# Allegro board RK_EVB1_RK3576_LP4XD200P132SD6_V12_20240530YWQ.brd (continued)
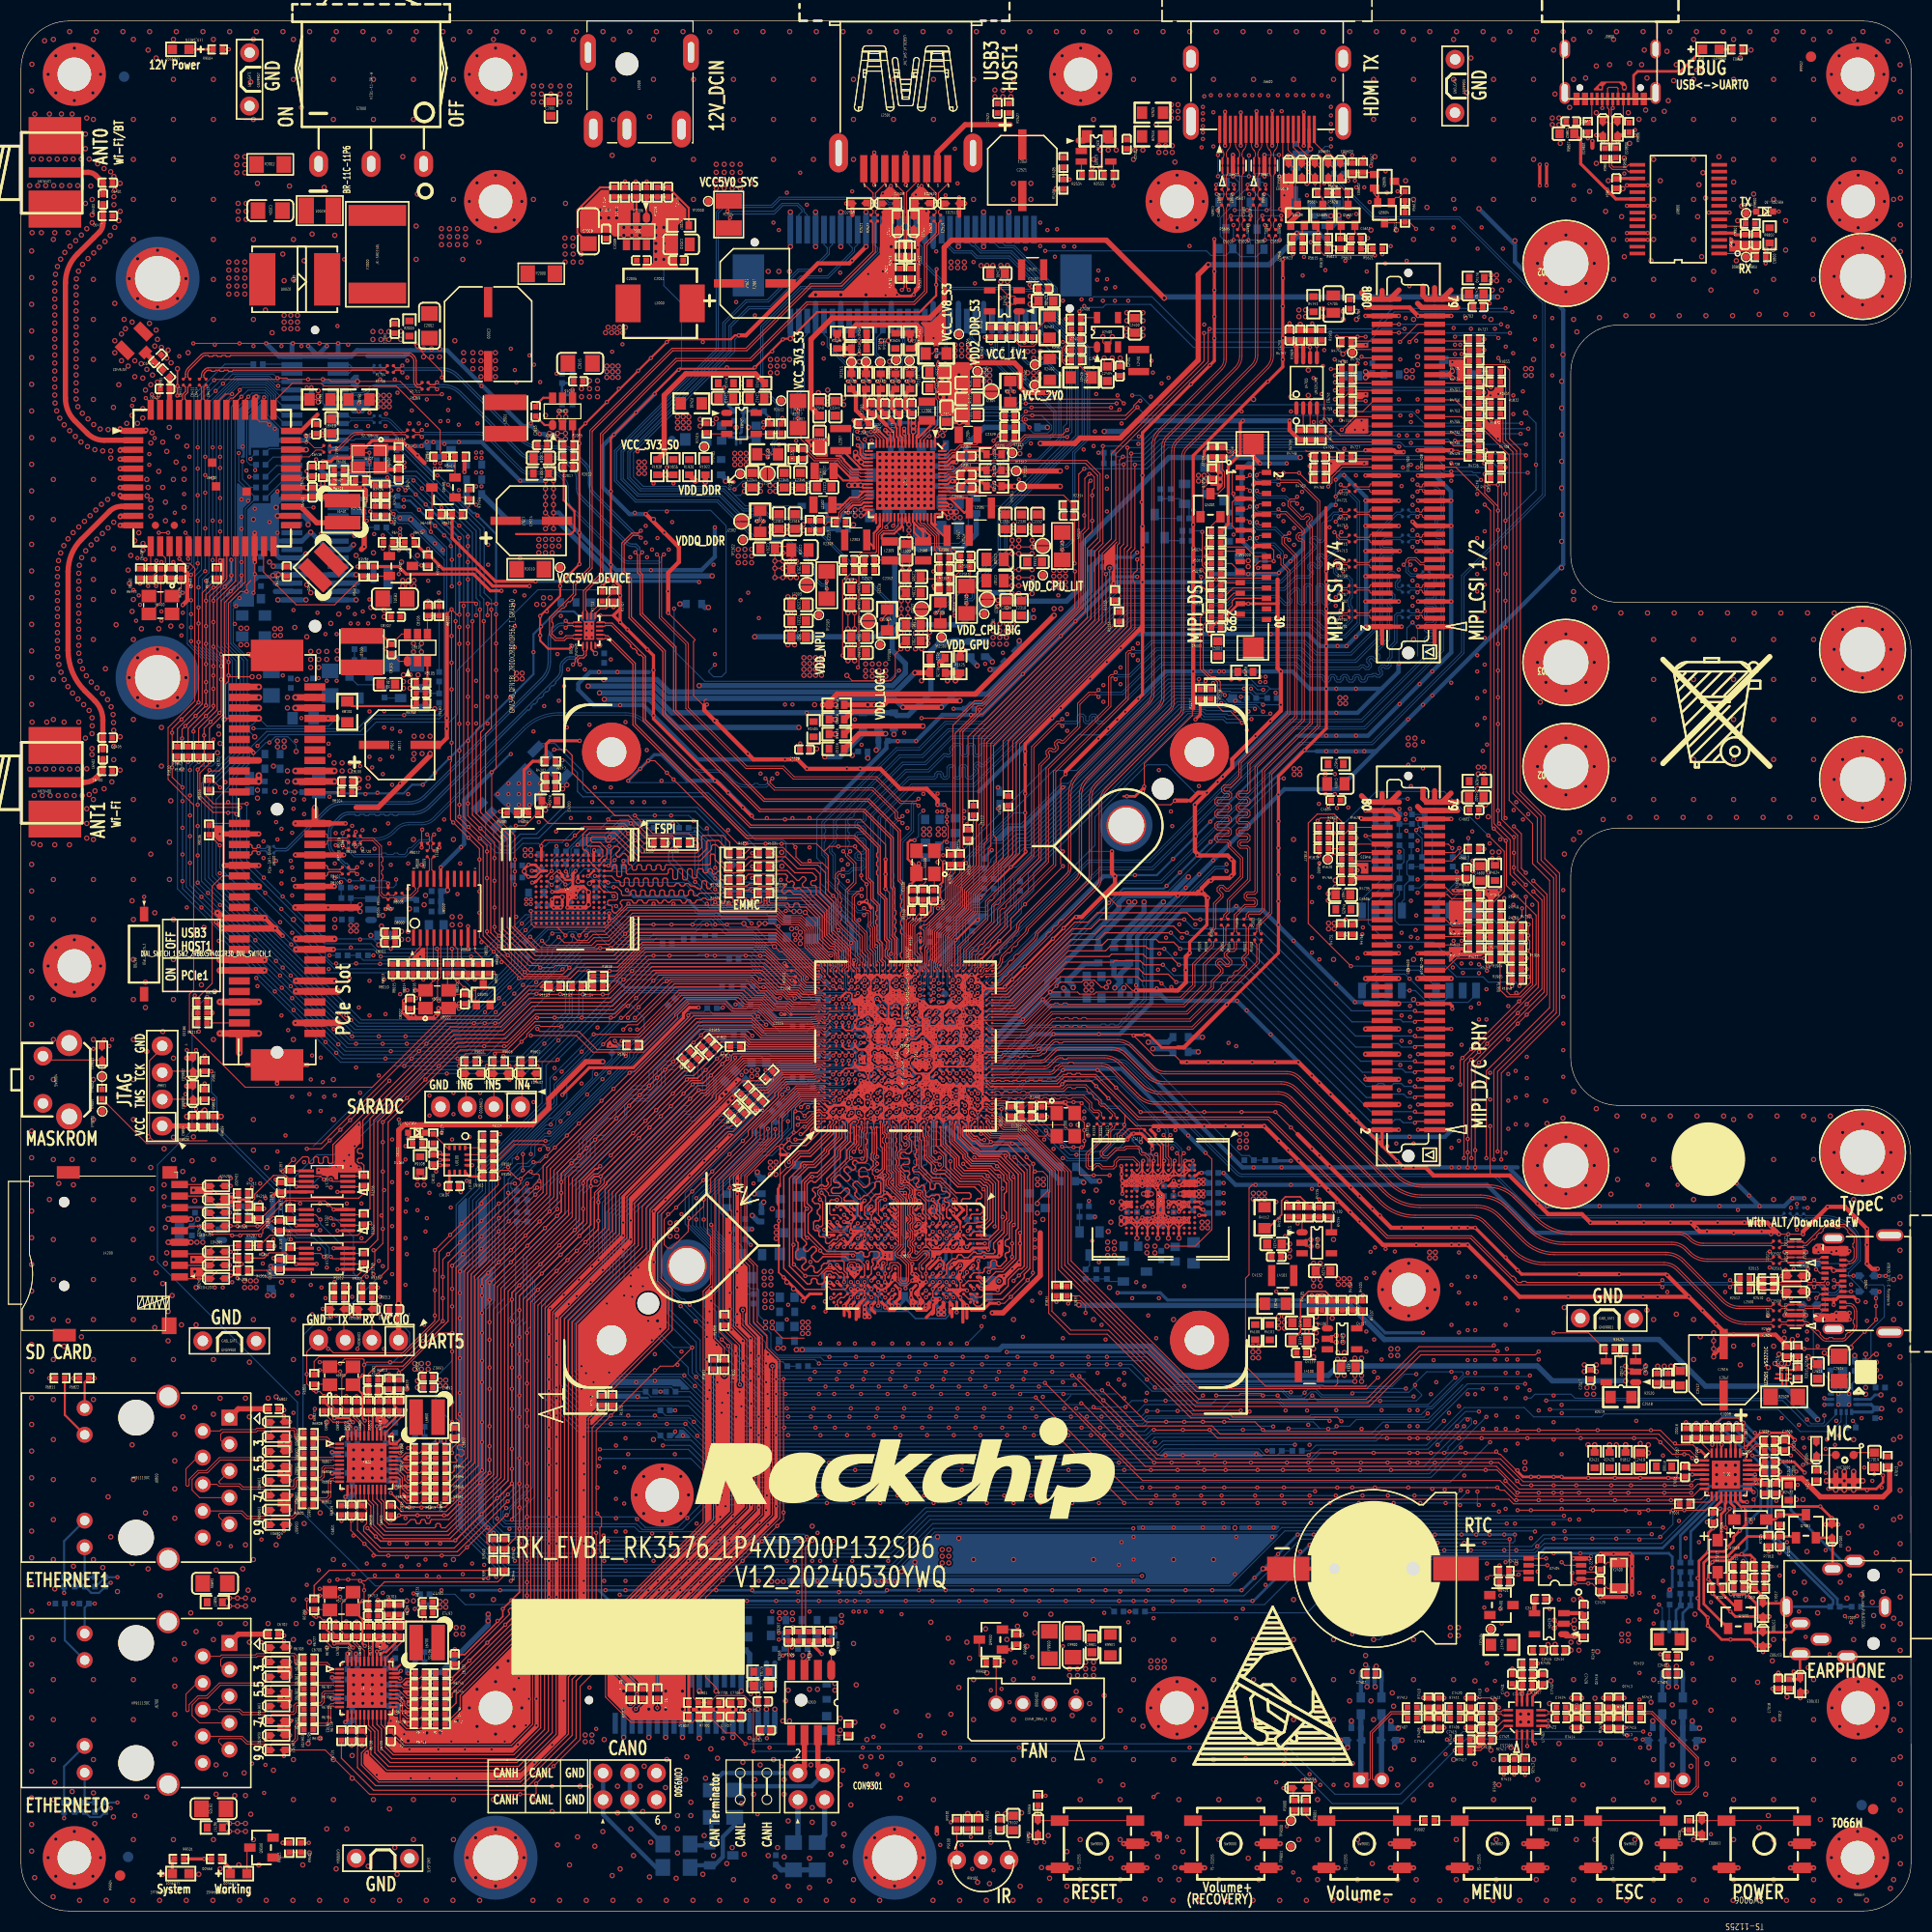
[diagram p0: board, top side]
## Routing (per net, layer and track width the routed paths; a pad name or vN(x,y) marks a point on that pad's centre or on a via; arc(x,y) is an arc through that point) (continued)
v1(170.32,60.55) v1(170.35,45.03) v1(170.98,63.19) v1(171.11,53.79) v1(171.49,63.32) v1(171.74,56.33) v1(171.87,44.01) v1(171.87,41.73) v1(171.87,34.36) v1(172.07,59.76) v1(172,44.9) v1(172.25,24.46) v1(172.76,44.39) v1(172.89,56.94) v1(172.89,46.68) v1(173.08,49.24) v1(173.08,48.23) v1(173.14,45.28) v1(173.71,28.08) v1(174.16,56.97) v1(174.1,49.24) v1(174.1,48.23) v1(174.16,31.95) v1(174.28,59.66) v1(174.28,27.5) v1(174.86,28.08) v1(175.3,46.93) v1(175.55,42.24) v1(175.68,57.98) v1(175.81,56.21) v1(175.81,40.08) v1(176.32,40.97) v1(177.21,40.33) v1(177.97,53.92) v2(0.83,164.32) v2(0.83,108.76) v2(1.04,175.88) v2(1.01,173.34) v2(1.06,159.84) v2(1.01,158.1) v2(1.01,155.56) v2(1.01,153.02) v2(1.01,150.48) v2(1.01,147.94) v2(1.01,145.4) v2(1.01,142.86) v2(1.01,140.32) v2(1.01,137.78) v2(1.01,135.24) v2(1.01,132.7) v2(1.01,130.16) v2(1.01,127.62) v2(1.01,125.08) v2(1.01,122.54) v2(1.01,120) v2(1.01,117.46) v2(1.01,114.92) v2(1.06,113.23) v2(1.01,99.68) v2(1.01,97.14) v2(1.01,94.6) v2(1.01,92.06) v2(1.01,89.52) v2(1.01,86.98) v2(1.01,84.44) v2(1.01,79.36) v2(1.01,74.28) v2(1.01,71.74) v2(1.01,69.2) v2(1.01,66.66) v2(1.01,64.12) v2(1.01,61.58) v2(1.01,59.04) v2(1.01,56.5) v2(1.01,53.96) v2(1.01,51.42) v2(1.01,48.88) v2(1.01,46.34) v2(1.01,43.8) v2(1.01,41.26) v2(1.01,38.72) v2(1.01,36.18) v2(1.01,33.64) v2(1.01,31.1) v2(1.01,28.56) v2(1.01,26.02) v2(1.01,23.48) v2(1.01,20.94) v2(1.01,18.4) v2(1.01,15.86) v2(1.01,13.32) v2(1.01,10.78) v2(1.01,8.24) v2(1.01,5.7) v2(1.16,166.85) v2(1.18,101.67) v2(1.26,106.23) v2(1.31,171.14) v2(1.3,3.18) v2(1.59,108.76) v2(1.59,164.32) v2(1.82,101.54) v2(1.92,166.85) v2(1.95,159.84) v2(2.02,106.23) v2(2.24,178.12) v2(2.35,164.32) v2(2.35,108.76) v2(2.45,113.23) v2(2.58,174.92) v2(2.58,90) v2(2.58,5.08) v2(2.69,166.85) v2(2.71,171.14) v2(2.78,106.23) v2(2.71,67.76) v2(3.08,178.25) v2(3.08,159.2) v2(3.08,140.15) v2(3.08,136.34) v2(3.08,132.53) v2(3.08,117.29) v2(3.08,113.48) v2(3.08,98.24) v2(3.08,94.43) v2(3.08,86.81) v2(3.08,83) v2(3.08,79.19) v2(3.08,71.57) v2(3.08,63.95) v2(3.08,60.14) v2(3.08,56.33) v2(3.08,52.52) v2(3.08,48.71) v2(3.08,44.9) v2(3.08,41.09) v2(3.08,37.28) v2(3.08,33.47) v2(3.08,25.85) v2(3.08,22.04) v2(3.08,18.23) v2(3.08,14.42) v2(3.08,10.61) v2(3.06,1.35) v2(3.12,164.32) v2(3.12,108.76) v2(3.22,159.84) v2(3.29,155.88) v2(3.22,155.05) v2(3.22,154.28) v2(3.22,153.52) v2(3.22,152.76) v2(3.22,152) v2(3.22,151.24) v2(3.22,150.47) v2(3.22,149.71) v2(3.22,148.95) v2(3.22,148.19) v2(3.22,147.43) v2(3.22,146.66) v2(3.22,145.9) v2(3.22,145.14) v2(3.22,144.38) v2(3.24,143.62) v2(3.22,101.54) v2(3.22,30.68) v2(3.22,12.26) v2(3.31,176.69) v2(3.31,173.15) v2(3.31,91.77) v2(3.31,88.23) v2(3.31,6.85) v2(3.31,3.31) v2(3.45,166.85) v2(3.47,156.62) v2(3.4,142.87) v2(3.48,127.85) v2(3.47,127.09) v2(3.47,126.33) v2(3.47,125.56) v2(3.47,124.8) v2(3.47,124.04) v2(3.47,123.28) v2(3.47,122.52) v2(3.47,121.75) v2(3.47,120.99) v2(3.47,120.23) v2(3.57,128.61) v2(3.5,119.47) v2(3.54,106.23) v2(3.61,118.72) v2(3.6,69.29) v2(3.77,157.32) v2(3.69,142.17) v2(3.77,129.34) v2(3.85,171.14) v2(3.88,164.32) v2(3.81,117.98) v2(3.88,108.76) v2(4.08,130.04) v2(4.17,157.96) v2(4.11,141.54) v2(4.1,117.28) v2(4.1,113.23) v2(4.1,53.79) v2(4.21,166.85) v2(4.31,106.23) v2(4.49,159.84) v2(4.48,130.69) v2(4.47,116.61) v2(4.49,56.21) v2(4.63,178.99) v2(4.64,164.32) v2(4.67,158.54) v2(4.63,140.98) v2(4.64,108.76) v2(4.61,101.54) v2(4.87,171.14) v2(4.87,71.57) v2(4.87,11.37) v2(4.97,166.85) v2(4.96,131.27) v2(4.91,115.99) v2(5.08,177.42) v2(5.08,172.42) v2(5.07,106.23) v2(5.08,92.5) v2(5.08,87.5) v2(4.99,69.16) v2(4.99,32.84) v2(5.08,7.58) v2(5.08,2.58) v2(5.17,140.44) v2(5.21,159.08) v2(5.27,155.44) v2(5.25,154.68) v2(5.25,153.91) v2(5.25,153.15) v2(5.25,152.39) v2(5.25,151.63) v2(5.25,150.87) v2(5.25,150.1) v2(5.25,149.34) v2(5.25,148.58) v2(5.25,147.82) v2(5.25,147.06) v2(5.25,146.29) v2(5.25,145.53) v2(5.25,144.77) v2(5.25,144.01) v2(5.4,164.32) v2(5.48,156.17) v2(5.42,143.27) v2(5.43,115.43) v2(5.4,108.76) v2(5.5,131.81) v2(5.56,128.16) v2(5.5,127.4) v2(5.5,126.64) v2(5.5,125.88) v2(5.5,125.12) v2(5.5,124.36) v2(5.5,123.59) v2(5.5,122.83) v2(5.5,122.07) v2(5.5,121.31) v2(5.5,120.55) v2(5.51,119.78) v2(5.5,113.23) v2(5.58,1.01) v2(5.62,119.03) v2(5.73,166.85) v2(5.75,159.62) v2(5.71,139.91) v2(5.78,128.89) v2(5.76,54.68) v2(5.86,156.82) v2(5.84,142.64) v2(5.86,118.31) v2(5.83,106.23) v2(5.97,114.89) v2(6.04,132.35) v2(6.14,169.24) v2(6.14,167.84) v2(6.14,162.63) v2(6.16,129.55) v2(6.14,111.7) v2(6.26,170.76) v2(6.26,160.22) v2(6.22,117.64) v2(6.26,108.78) v2(6.26,104.97) v2(6.26,103.58) v2(6.26,102.18) v2(6.38,157.38) v2(6.38,142.1) v2(6.33,139.46) v2(6.49,114.34) v2(6.5,166.85) v2(6.58,132.89) v2(6.5,106.33) v2(6.64,164.28) v2(6.67,130.11) v2(6.78,163) v2(6.78,161.55) v2(6.78,160.78) v2(6.69,117.04) v2(6.76,113.63) v2(6.78,112.87) v2(6.76,112.13) v2(6.76,110.71) v2(6.76,110.14) v2(6.85,176.69) v2(6.85,173.15) v2(6.85,91.77) v2(6.85,88.23) v2(6.85,6.85) v2(6.85,3.31) v2(6.89,178.25) v2(6.89,170.63) v2(6.92,157.92) v2(6.89,155.39) v2(6.89,151.58) v2(6.89,147.77) v2(6.89,143.96) v2(6.92,141.57) v2(6.89,136.34) v2(6.89,128.72) v2(6.9,126.82) v2(6.89,124.91) v2(6.89,121.1) v2(6.89,105.86) v2(6.89,102.05) v2(6.89,98.24) v2(6.89,94.43) v2(6.89,86.81) v2(6.89,83) v2(6.89,79.19) v2(6.89,75.38) v2(6.89,71.57) v2(6.89,67.76) v2(6.89,63.95) v2(6.89,60.14) v2(6.89,56.33) v2(6.89,52.52) v2(6.89,48.71) v2(6.89,41.09) v2(6.89,33.47) v2(6.89,22.04) v2(6.89,18.23) v2(6.89,14.42) v2(6.9,11.25) v2(7.03,139.17) v2(7.05,106.68) v2(7.03,8.33) v2(7.17,178.99) v2(7.12,133.43) v2(7.21,130.65) v2(7.23,116.5) v2(7.3,166.4) v2(7.46,158.45) v2(7.58,174.92) v2(7.54,141.14) v2(7.58,90) v2(7.58,5.08) v2(7.66,133.97) v2(7.78,139.06) v2(7.75,131.19) v2(7.77,115.96) v2(7.79,32.71) v2(7.91,165.95) v2(7.91,106.88) v2(8,158.99) v2(8.04,118.31) v2(8.12,1.01) v2(8.25,134.44) v2(8.29,131.73) v2(8.24,115.37) v2(8.3,141.09) v2(8.3,39.44) v2(8.54,165.64) v2(8.5,159.57) v2(8.55,139.05) v2(8.55,138.37) v2(8.58,114.68) v2(8.55,35.63) v2(8.66,107.54) v2(8.77,113.95) v2(8.85,165.19) v2(8.85,163.27) v2(8.85,162.5) v2(8.8,143.2) v2(8.83,132.26) v2(8.8,129.74) v2(8.8,125.67) v2(8.81,113.19) v2(8.83,112.45) v2(8.83,110.92) v2(8.83,109.64) v2(8.8,8.96) v2(8.93,163.9) v2(8.93,160.35) v2(8.93,153.11) v2(8.93,149.55) v2(8.93,148.41) v2(8.9,141.08) v2(9.06,122.5) v2(9.18,30.42) v2(9.31,160.98) v2(9.31,145.36) v2(9.44,164.54) v2(9.44,161.87) v2(9.44,111.83) v2(9.44,108.66) v2(9.57,150.19) v2(9.57,147.65) v2(9.71,178.99) v2(9.82,151.58) v2(9.95,150.69) v2(10.07,141.68) v2(10.2,147.14) v2(10.2,127.71) v2(10.31,155.47) v2(10.33,126.44) v2(10.31,117.47) v2(10.45,129.1) v2(10.58,151.33) v2(10.58,142.44) v2(10.58,123.77) v2(10.58,96.21) v2(10.58,44.39) v2(10.58,33.09) v2(10.66,1.01) v2(10.7,178.25) v2(10.7,170.63) v2(10.7,166.82) v2(10.7,163.01) v2(10.7,159.2) v2(10.7,143.96) v2(10.7,124.91) v2(10.7,121.1) v2(10.7,113.48) v2(10.7,109.67) v2(10.7,105.86) v2(10.7,102.05) v2(10.7,98.24) v2(10.7,94.43) v2(10.7,90.62) v2(10.7,86.81) v2(10.7,83) v2(10.7,79.19) v2(10.7,75.38) v2(10.7,71.57) v2(10.7,67.76) v2(10.7,63.95) v2(10.7,60.14) v2(10.7,56.33) v2(10.7,52.52) v2(10.7,41.09) v2(10.7,22.04) v2(10.7,18.23) v2(10.7,6.8) v2(10.84,147.65) v2(10.84,146.12) v2(10.84,130.5) v2(10.84,9.09) v2(11.09,141.68) v2(11.11,157.36) v2(11.11,153.57) v2(11.11,119.36) v2(11.11,115.57) v2(11.22,131.26) v2(11.45,147.36) v2(11.47,122.12) v2(11.6,145.99) v2(11.6,143.07) v2(11.6,142.18) v2(11.62,130.25) v2(11.62,129.61) v2(11.85,144.85) v2(11.85,88.46) v2(11.85,86.05) v2(11.85,37.92) v2(11.99,146.82) v2(11.98,136.34) v2(11.98,81.86) v2(11.98,10.87) v2(12,134.78) v2(12.11,177.24) v2(12.11,135.58) v2(12.11,73.73) v2(12.11,32.58) v2(12.25,178.99) v2(12.23,151.2) v2(12.36,145.36) v2(12.36,139.81) v2(12.36,134.38) v2(12.36,133.62) v2(12.36,132.86) v2(12.36,100.66) v2(12.36,70.81) v2(12.49,140.79) v2(12.49,68.78) v2(12.49,64.97) v2(12.49,62.17) v2(12.53,146.28) v2(12.74,149.04) v2(12.74,95.07) v2(12.74,55.57) v2(12.87,176.47) v2(12.87,150.57) v2(12.87,60.78) v2(13.01,158.17) v2(13.01,152.77) v2(12.99,149.68) v2(12.99,145.61) v2(13.01,120.17) v2(13.01,114.77) v2(13.12,137.1) v2(13.12,122.12) v2(13.25,30.04) v2(13.2,1.01) v2(13.38,148.92) v2(13.38,112.72) v2(13.38,109.04) v2(13.5,139.9) v2(13.5,135.58) v2(13.5,83.76) v2(13.5,59.76) v2(13.5,3.5) v2(13.63,72.59) v2(13.63,69.16) v2(13.63,68.02) v2(13.76,134.18) v2(13.76,132.41) v2(13.76,65.1) v2(13.76,61.67) v2(13.88,147.9) v2(13.88,139.01) v2(13.88,62.68) v2(14.01,148.66) v2(14.01,57.09) v2(14.01,54.3) v2(14.12,141.3) v2(14.14,101.8) v2(14.14,98.24) v2(14.26,122.37) v2(14.26,105.74) v2(14.29,147.45) v2(14.39,58.62) v2(14.51,178.25) v2(14.51,174.44) v2(14.51,170.63) v2(14.51,166.82) v2(14.51,163.01) v2(14.51,136.34) v2(14.51,94.43) v2(14.51,90.62) v2(14.51,86.81) v2(14.52,81.22) v2(14.52,73.69) v2(14.51,71.57) v2(14.51,52.52) v2(14.51,6.8) v2(14.65,45.41) v2(14.65,42.87) v2(14.65,40.2) v2(14.65,37.41) v2(14.65,23.95) v2(14.65,21.41) v2(14.65,18.74) v2(14.65,15.95) v2(14.79,178.99) v2(14.77,137.99) v2(14.91,157.37) v2(14.91,153.57) v2(14.9,140.41) v2(14.91,119.37) v2(14.91,115.57) v2(15.28,122.37) v2(15.28,55.82) v2(15.41,70.43) v2(15.41,47.06) v2(15.53,137.36) v2(15.53,136.34) v2(15.53,133.68) v2(15.53,25.47) v2(15.71,155.47) v2(15.79,139.52) v2(15.71,117.47) v2(15.74,1.01) v2(15.92,148.41) v2(16.17,28.39) v2(16.3,71.45) v2(16.42,73.73) v2(16.42,69.67) v2(16.42,68.65) v2(16.42,62.05) v2(16.55,67.64) v2(16.55,60.9) v2(16.55,47.95) v2(16.68,59.38) v2(16.68,55.82) v2(16.68,26.61) v2(16.93,3.5) v2(17.18,88.21) v2(17.33,178.99) v2(17.44,93.67) v2(18.28,1.01) v2(18.32,178.25) v2(18.32,174.44) v2(18.32,170.63) v2(18.32,163.01) v2(18.32,159.2) v2(18.32,155.39) v2(18.32,151.58) v2(18.32,83) v2(18.32,71.57) v2(18.32,52.52) v2(18.32,47.31) v2(18.32,25.85) v2(18.32,6.8) v2(18.45,87.57) v2(18.58,32.47) v2(18.58,13.91) v2(18.58,11.12) v2(18.71,110.31) v2(18.84,112.09) v2(18.84,35) v2(18.96,48.84) v2(18.96,27.38) v2(18.96,4.01) v2(19.47,13.03) v2(19.79,157.04) v2(19.79,156.28) v2(19.79,155.52) v2(19.79,154.76) v2(19.79,154) v2(19.87,178.99) v2(20.36,10.99) v2(20.55,167.08) v2(20.55,166.31) v2(20.55,165.55) v2(20.55,157.04) v2(20.55,156.28) v2(20.55,155.52) v2(20.55,154.76) v2(20.55,154) v2(20.68,162.63) v2(20.68,161.87) v2(20.68,161.11) v2(20.74,4.39) v2(20.82,1.01) v2(21.12,32.58) v2(21.25,13.15) v2(21.31,167.08) v2(21.31,166.31) v2(21.31,165.55) v2(21.31,157.04) v2(21.31,156.28) v2(21.31,155.52) v2(21.31,154.76) v2(21.31,154) v2(21.38,48.84) v2(21.38,34.87) v2(21.38,27.38) v2(21.38,10.99) v2(21.44,162.63) v2(21.44,161.87) v2(21.44,161.11) v2(21.63,30.55) v2(21.76,52.27) v2(21.76,47.06) v2(21.76,25.6) v2(21.88,174.19) v2(21.88,9.22) v2(22.13,178.25) v2(22.13,170.63) v2(22.13,159.2) v2(22.13,151.58) v2(22.13,132.53) v2(22.13,75.38) v2(22.14,72.46) v2(22.13,56.33) v2(22.13,33.47) v2(22.13,29.66) v2(22.13,6.8) v2(22.41,178.99) v2(22.52,164.54) v2(22.52,106.75) v2(22.52,105.99) v2(22.65,117.55) v2(22.65,4.39) v2(23.28,152.47) v2(23.36,1.01) v2(23.41,70.81) v2(23.54,48.84) v2(23.54,27.38) v2(23.92,150.31) v2(23.99,127.2) v2(24.04,13.41) v2(24.17,106.62) v2(24.3,48.97) v2(24.3,34.87) v2(24.81,59.89) v2(24.95,178.99) v2(24.93,157.81) v2(25.06,155.27) v2(25.57,164.28) v2(25.94,178.25) v2(25.94,174.44) v2(25.94,159.2) v2(25.94,155.39) v2(25.94,105.86) v2(25.94,98.24) v2(25.94,94.43) v2(25.94,83) v2(25.94,56.33) v2(25.94,52.52) v2(25.94,29.66) v2(25.94,25.85) v2(25.94,14.42) v2(25.94,10.61) v2(25.9,1.01) v2(26.08,122.25) v2(26.2,27.38) v2(26.33,117.29) v2(26.33,49.35) v2(26.71,171.78) v2(26.84,4.39) v2(26.96,157.17) v2(26.96,36.9) v2(27.17,117.29) v2(27.22,126.31) v2(27.22,121.36) v2(27.35,15.95) v2(27.49,178.99) v2(27.47,25.6) v2(27.47,5.53) v2(27.59,119.96) v2(27.59,119.2) v2(27.59,118.44) v2(27.6,125.55) v2(27.6,47.06) v2(27.73,159.71) v2(27.73,27.38) v2(27.98,105.1) v2(28.35,119.96) v2(28.35,119.2) v2(28.35,118.44) v2(28.49,37.92) v2(28.49,16.45) v2(28.44,1.01) v2(28.74,135.96) v2(28.87,164.16) v2(29.12,119.96) v2(29.12,119.2) v2(29.12,46.55) v2(29.12,7.82) v2(29.5,122.63) v2(29.75,178.25) v2(29.75,174.44) v2(29.75,170.63) v2(29.75,79.19) v2(29.75,75.38) v2(29.75,33.47) v2(29.75,14.42) v2(29.75,10.61) v2(29.89,159.58) v2(29.89,94.43) v2(29.89,93.67) v2(30.03,178.99) v2(30.01,4.01) v2(30.11,120.01) v2(30.11,119.25) v2(30.27,123.52) v2(30.98,1.01) v2(31.03,7.82) v2(31.54,14.8) v2(31.54,12.64) v2(31.68,43.91) v2(31.68,43.02) v2(31.68,42.13) v2(31.68,41.24) v2(31.68,22.45) v2(31.68,21.56) v2(31.68,20.67) v2(31.68,19.78) v2(32.3,95.19) v2(32.57,178.99) v2(32.57,43.91) v2(32.57,43.02) v2(32.57,42.13) v2(32.57,41.24) v2(32.57,22.45) v2(32.57,21.56) v2(32.57,20.67) v2(32.57,19.78) v2(33.06,107.89) v2(33.06,107.13) v2(33.06,4.26) v2(33.31,124.15) v2(33.31,92.91) v2(33.46,43.91) v2(33.46,43.02) v2(33.46,42.13) v2(33.46,41.24) v2(33.46,22.45) v2(33.46,21.56) v2(33.46,20.67) v2(33.46,19.78) v2(33.56,178.25) v2(33.56,174.44) v2(33.56,170.63) v2(33.51,150.42) v2(33.51,149.67) v2(33.56,98.24) v2(33.56,10.61) v2(33.52,1.01) v2(34.28,150.42) v2(34.28,149.67) v2(34.33,93.8) v2(34.34,43.91) v2(34.34,43.02) v2(34.34,42.13) v2(34.34,41.24) v2(34.34,22.45) v2(34.34,21.56) v2(34.34,20.67) v2(34.34,19.78) v2(34.46,94.81) v2(34.58,123.89) v2(34.58,123.26) v2(35.04,150.42) v2(35.04,149.67) v2(35.11,178.99) v2(35.09,9.72) v2(35.6,6.04) v2(35.82,3.5) v2(36.06,1.01) v2(36.16,150.44) v2(36.16,149.68) v2(36.24,128.47) v2(36.36,167.08) v2(36.42,117.72) v2(36.42,117.09) v2(36.42,116.45) v2(36.74,49.73) v2(36.74,29.54) v2(36.74,28.65) v2(36.87,16.2) v2(37.06,117.72) v2(37.06,117.09) v2(37.06,116.45) v2(37,95.45) v2(37.12,132.53) v2(37.37,178.25) v2(37.37,174.44) v2(37.37,170.63) v2(37.38,120.72) v2(37.38,119.92) v2(37.37,109.67) v2(37.37,102.05) v2(37.37,10.61) v2(37.37,6.8) v2(37.43,114.3) v2(37.44,111.88) v2(37.44,110.23) v2(37.65,178.99) v2(37.63,160.47) v2(37.63,157.3) v2(37.76,163.52) v2(37.76,149.04) v2(37.76,129.1) v2(37.76,50.49) v2(37.76,49.86) v2(37.82,117.72) v2(38.14,120.72) v2(38.14,119.92) v2(38.2,111.88) v2(38.2,110.23) v2(38.34,148.77) v2(38.34,148.01) v2(38.39,95.83) v2(38.39,27.76) v2(38.52,96.72) v2(38.65,16.96) v2(38.6,1.01) v2(38.96,111.88) v2(39.1,148.77) v2(39.1,148.01) v2(39.41,114.5) v2(39.86,148.77) v2(39.86,148.01) v2(39.92,16.96) v2(40.05,160.22) v2(40.05,159.46) v2(40.05,158.69) v2(40.19,178.99) v2(40.81,160.22) v2(40.81,159.46) v2(40.81,158.69) v2(41.06,94.69) v2(41.06,93.92) v2(41.18,178.25) v2(41.18,174.44) v2(41.18,163.01) v2(41.18,102.05) v2(41.18,33.47) v2(41.18,10.61) v2(41.18,6.8) v2(41.18,2.99) v2(41.14,1.01) v2(41.32,149.55) v2(41.57,160.22) v2(41.57,159.46) v2(41.57,158.69) v2(41.57,18.11) v2(41.82,94.69) v2(41.82,93.92) v2(42.08,157.3) v2(42.15,148.41) v2(42.15,147.65) v2(42.33,160.22) v2(42.33,159.46) v2(42.33,158.69) v2(42.5,5.08) v2(42.73,178.99) v2(42.7,174.92) v2(42.7,162.82) v2(42.7,19.34) v2(42.97,30.04) v2(43.04,148.41) v2(43.04,147.65) v2(43.04,146.88) v2(43.3,6.98) v2(43.31,3.18) v2(43.43,176.69) v2(43.43,173.15) v2(43.43,164.58) v2(43.43,161.05) v2(43.43,21.11) v2(43.43,17.58) v2(43.6,158.95) v2(43.68,1.01) v2(43.8,148.41) v2(43.8,147.65) v2(43.8,146.88) v2(43.8,146.12) v2(44.99,178.25) v2(44.99,29.66) v2(44.99,10.61) v2(45.18,148.41) v2(45.18,147.65) v2(45.18,146.88) v2(45.18,146.12) v2(45.27,178.99) v2(45.2,177.42) v2(45.2,172.42) v2(45.2,165.32) v2(45.2,160.32) v2(45.2,21.84) v2(45.2,16.84) v2(45.2,7.78) v2(45.2,2.38) v2(45.38,23.19) v2(46.4,23.82) v2(46.96,176.69) v2(46.96,173.15) v2(46.96,164.58) v2(46.96,161.05) v2(46.96,21.11) v2(46.96,17.58) v2(47.1,6.98) v2(47.1,3.18) v2(47.7,174.92) v2(47.7,162.82) v2(47.7,19.34) v2(47.81,178.99) v2(47.9,5.08) v2(48.76,1.01) v2(48.8,178.25) v2(48.81,173.81) v2(48.81,173.05) v2(48.81,172.28) v2(48.8,163.01) v2(48.8,10.61) v2(49.57,173.81) v2(49.57,173.05) v2(49.57,172.28) v2(49.95,142.44) v2(50.35,178.99) v2(50.46,173.81) v2(50.46,173.05) v2(50.59,9.47) v2(51.09,6.29) v2(51.35,173.81) v2(51.35,173.05) v2(51.35,172.28) v2(51.3,1.01) v2(51.86,162.63) v2(52.24,173.81) v2(52.24,173.05) v2(52.24,172.28) v2(52.24,4.39) v2(52.61,178.25) v2(52.89,178.99) v2(53,7.06) v2(53.25,11.88) v2(53.38,144.98) v2(53.38,144.22) v2(53.84,1.01) v2(54.14,145.74) v2(54.14,144.98) v2(54.14,144.22) v2(54.27,11.88) v2(54.65,6.17) v2(54.9,145.74) v2(54.9,144.98) v2(54.9,144.22) v2(55.43,178.99) v2(55.41,7.56) v2(55.54,16.33) v2(56.3,167.2) v2(56.3,3.37) v2(56.38,1.01) v2(56.42,178.25) v2(56.42,174.44) v2(56.42,170.63) v2(56.81,11.88) v2(56.81,9.34) v2(57.06,4.01) v2(57.97,178.99) v2(58.08,7.82) v2(58.33,5.28) v2(58.57,39.62) v2(58.97,11.88) v2(58.92,1.01) v2(59.22,9.47) v2(59.3,41.39) v2(59.3,37.86) v2(59.35,13.79) v2(59.86,170.89) v2(59.86,3.25) v2(59.98,6.55) v2(60.23,178.25) v2(60.23,174.44) v2(60.23,166.82) v2(60.23,132.53) v2(60.23,44.9) v2(60.51,178.99) v2(60.62,56.21) v2(61.07,42.12) v2(61.07,37.12) v2(61.25,7.95) v2(61.38,11.76) v2(61.46,1.01) v2(61.51,14.42) v2(62.4,3.12) v2(62.52,9.09) v2(62.52,7.82) v2(62.52,5.53) v2(62.84,41.39) v2(62.84,37.86) v2(63.05,178.99) v2(63.29,12.52) v2(63.41,14.68) v2(63.57,39.62) v2(63.79,10.36) v2(63.79,9.09) v2(64.04,174.44) v2(64.04,166.82) v2(64.04,163.01) v2(64,1.01) v2(64.68,142.06) v2(64.68,141.42) v2(64.94,3.5) v2(65.06,7.18) v2(65.19,12.64) v2(65.59,178.99) v2(65.7,15.44) v2(65.88,141.64) v2(65.95,5.28) v2(66.08,10.23) v2(66.21,142.12) v2(66.33,14.55) v2(66.54,1.01) v2(67.22,4.52) v2(67.73,6.04) v2(67.85,174.44) v2(67.85,170.63) v2(67.85,2.99) v2(68.13,178.99) v2(68.62,144.47) v2(68.62,143.71) v2(68.62,10.23) v2(68.75,14.17) v2(68.87,5.41) v2(69.08,1.01) v2(69.28,141.31) v2(69.76,11.12) v2(69.89,12.52) v2(70.4,13.91) v2(70.67,178.99) v2(71.16,156.15) v2(71.16,5.28) v2(71.54,66.87) v2(71.54,56.08) v2(71.66,174.44) v2(71.66,170.63) v2(71.66,166.82) v2(71.66,14.42) v2(71.62,1.01) v2(71.8,3.25) v2(71.92,65.17) v2(71.92,64.61) v2(71.92,64.05) v2(72.05,6.04) v2(72.18,156.15) v2(72.45,100.83) v2(72.47,99.51) v2(72.68,12.52) v2(72.68,11.12) v2(72.68,5.15) v2(72.81,20.01) v2(72.94,59.89) v2(73.07,21.03) v2(73.07,8.58) v2(73.07,2.36) v2(73.21,178.99) v2(73.19,156.15) v2(73.57,59.25) v2(73.7,14.42) v2(74.16,1.01) v2(74.46,58.11) v2(75.1,21.11) v2(75.1,5.02) v2(75.1,2.23) v2(75.22,13.91) v2(75.35,36.65) v2(75.35,9.85) v2(75.35,8.45) v2(75.47,174.44) v2(75.47,170.63) v2(75.47,166.82) v2(75.75,178.99) v2(75.86,21.11) v2(75.94,144.6) v2(76.7,1.01) v2(76.82,144.85) v2(76.88,14.42) v2(77,2.87) v2(77.13,5.41) v2(77.38,8.33) v2(78.08,153.93) v2(78.02,18.36) v2(78.02,17.22) v2(78.02,12.01) v2(78.29,178.99) v2(78.27,13.41) v2(78.4,7.31) v2(78.53,4.64) v2(79.03,10.1) v2(79.28,174.44) v2(79.28,170.63) v2(79.28,166.82) v2(79.29,25.47) v2(79.28,2.99) v2(79.24,1.01) v2(79.42,17.98) v2(79.54,21.53) v2(80.05,14.68) v2(80.48,153.93) v2(80.43,13.79) v2(80.56,16.33) v2(80.5,5.08) v2(80.83,178.99) v2(80.94,14.68) v2(81.3,6.98) v2(81.31,3.18) v2(81.78,1.01) v2(81.8,138.73) v2(81.8,138.12) v2(81.8,137.51) v2(81.8,136.9) v2(81.8,136.29) v2(81.8,135.68) v2(81.8,135.07) v2(81.8,134.46) v2(81.8,133.85) v2(81.96,14.68) v2(82.08,17.6) v2(82.41,138.73) v2(82.41,138.12) v2(82.41,137.51) v2(82.41,136.9) v2(82.41,136.29) v2(82.41,135.68) v2(82.41,135.07) v2(82.41,134.46) v2(82.41,133.85) v2(82.97,12.9) v2(83.02,138.73) v2(83.02,138.12) v2(83.02,137.51) v2(83.02,136.9) v2(83.02,136.29) v2(83.02,135.68) v2(83.02,135.07) v2(83.02,134.46) v2(83.02,133.85) v2(83.09,174.44) v2(83.09,170.63) v2(83.2,7.78) v2(83.2,2.38) v2(83.37,178.99) v2(83.35,18.99) v2(83.63,138.73) v2(83.63,138.12) v2(83.63,137.51) v2(83.63,136.9) v2(83.63,136.29) v2(83.63,135.68) v2(83.63,135.07) v2(83.63,134.46) v2(83.63,133.85) v2(83.73,14.04) v2(83.73,10.74) v2(83.86,32.33) v2(84.24,138.73) v2(84.24,138.12) v2(84.24,137.51) v2(84.24,136.9) v2(84.24,136.29) v2(84.24,135.68) v2(84.24,135.07) v2(84.24,134.46) v2(84.24,133.85) v2(84.37,12.01) v2(84.85,138.73) v2(84.85,138.12) v2(84.85,137.51) v2(84.85,136.9) v2(84.85,136.29) v2(84.85,135.68) v2(84.85,135.07) v2(84.85,134.46) v2(84.85,133.85) v2(85.13,33.22) v2(85.1,6.98) v2(85.1,3.18) v2(85.46,138.73) v2(85.46,138.12) v2(85.46,137.51) 